# KiCad board mxm_immobilizer.kicad_pcb (continued)
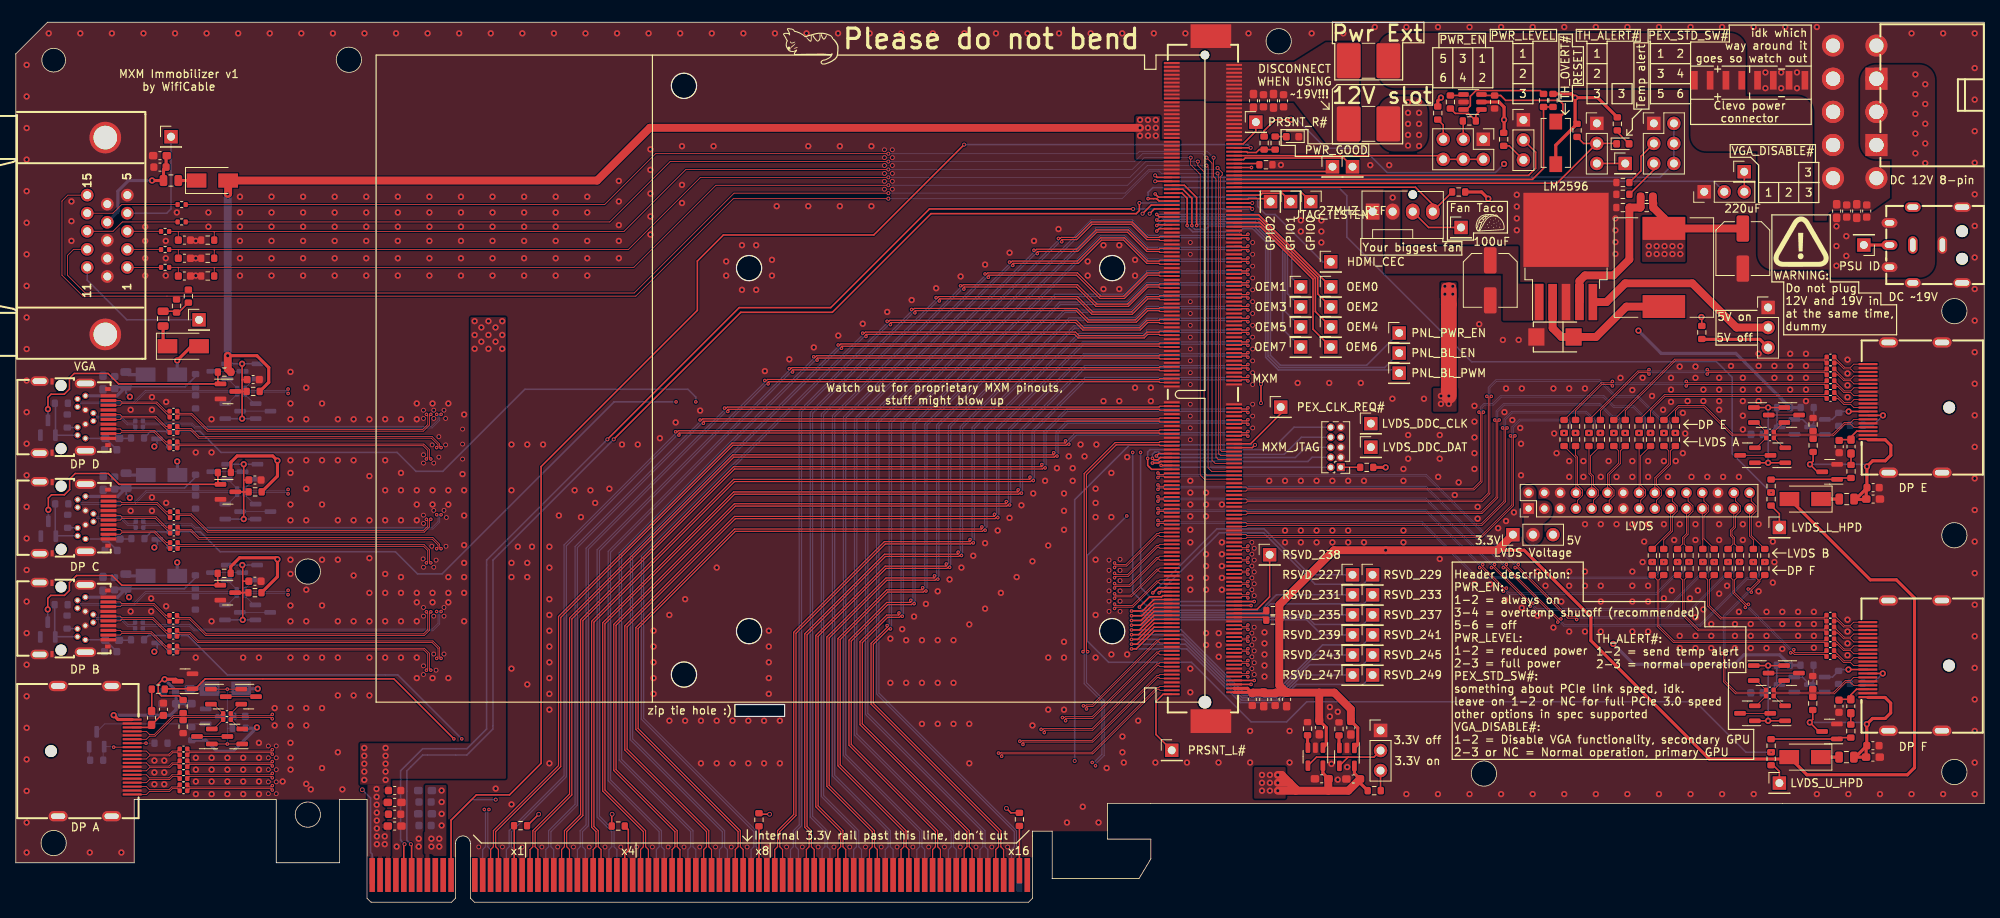
[diagram p0: board, top side]
## Routing (per net, layer and track width the routed paths; a pad name or vN(x,y) marks a point on that pad's centre or on a via; arc(x,y) is an arc through that point) (continued)
DP_A_L0-: length 139.8
  Top w0.1: MXM1.253 144.95,33.35 144.8,33.2 144.56,33.2 136.36,25 135.62,25 135.5,24.89 v3(135.26,24.89) ; C42.1 22,14.6 32.33,14.6 v3(32.5,14.77)
  In2.Cu w0.1: v3(135.26,24.89) 135.26,24.64 123.92,13.3 65.44,13.3 57.14,21.6 41.86,21.6 34.85,14.6 32.67,14.6 v3(32.5,14.77)
DP_A_L1+: length 138.5
  Top w0.1: v3(133,23) 133,23.25 133.04,23.29 136.44,23.29 144.64,31.49 144.8,31.49 144.95,31.35 MXM1.261 ; v3(32.5,15.76) 32.33,15.94 22,15.94 C41.1
  In2.Cu w0.1: v3(133,23) 132.75,23 123.74,13.99 65.56,13.99 57.26,22.29 41.74,22.29 35.39,15.94 32.67,15.94 v3(32.5,15.76)
DP_A_L1-: length 138.5
  Top w0.1: v3(132.6,23.4) 132.85,23.4 132.96,23.5 136.36,23.5 144.56,31.7 144.8,31.7 144.95,31.85 MXM1.259 ; v3(32.5,16.32) 32.33,16.15 22,16.15 C40.1
  In2.Cu w0.1: v3(32.5,16.32) 32.67,16.15 35.3,16.15 41.66,22.5 57.34,22.5 65.64,14.2 123.66,14.2 132.6,23.15 v3(132.6,23.4)
DP_A_L2+: length 137.3
  Top w0.1: v3(32.5,17.26) 32.33,17.44 22,17.44 C39.1 ; v3(130.3,21.5) 130.3,21.75 130.34,21.79 136.44,21.79 144.64,29.99 144.8,29.99 144.95,29.85 MXM1.267
  In2.Cu w0.1: v3(130.3,21.5) 130.05,21.5 123.44,14.89 65.76,14.89 57.46,23.19 41.54,23.19 35.79,17.44 32.67,17.44 v3(32.5,17.26)
DP_A_L2-: length 137.3
  Top w0.1: v3(129.9,21.9) 130.15,21.9 130.26,22 136.36,22 144.56,30.2 144.8,30.2 144.95,30.35 MXM1.265 ; v3(32.5,17.82) 32.33,17.65 22,17.65 C38.1
  In2.Cu w0.1: v3(129.9,21.9) 129.9,21.65 123.36,15.1 65.84,15.1 57.54,23.4 41.46,23.4 35.7,17.65 32.67,17.65 v3(32.5,17.82)
DP_A_L3+: length 136
  Top w0.1: v3(127.6,20) 127.6,20.25 127.64,20.29 136.44,20.29 144.64,28.49 144.8,28.49 144.95,28.35 MXM1.273 ; v3(32.5,18.76) 32.33,18.94 22,18.94 C37.1
  In2.Cu w0.1: v3(127.6,20) 127.35,20 123.14,15.79 65.96,15.79 57.66,24.09 41.34,24.09 36.19,18.94 32.67,18.94 v3(32.5,18.76)
DP_A_L3-: length 136
  Top w0.1: C36.1 22,19.15 32.33,19.15 v3(32.5,19.32) ; MXM1.271 144.95,28.85 144.8,28.7 144.56,28.7 136.36,20.5 127.56,20.5 127.45,20.4 v3(127.2,20.4)
  In2.Cu w0.1: v3(32.5,19.32) 32.67,19.15 36.1,19.15 41.26,24.3 57.74,24.3 66.04,16 123.06,16 127.2,20.15 v3(127.2,20.4)
DP_B_AUX+: length 144.3
  Top w0.1: v3(156.1,28.57) 155.93,28.74 155.37,28.74 155.23,28.6 MXM1.272
  In2.Cu w0.1: v3(156.1,28.57) 155.93,28.74 144.89,28.74 142.44,26.29 130.74,26.29 122.64,18.19 66.36,18.19 58.06,26.49 47.56,26.49 34.91,39.14 34.67,39.14 v3(34.5,38.97)
  Bottom w0.1: Q22.2 30.17,37.67 C55.1 29.24,39.14 34.33,39.14 v3(34.5,38.97)
DP_B_AUX-: length 144.9
  Top w0.1: MXM1.270 155.23,29.1 155.37,28.95 155.93,28.95 v3(156.1,29.13)
  In2.Cu w0.1: v3(156.1,29.13) 155.93,28.95 144.81,28.95 142.36,26.5 130.66,26.5 122.56,18.4 66.44,18.4 58.14,26.7 47.64,26.7 34.99,39.35 34.67,39.35 v3(34.5,39.53)
  Bottom w0.1: v3(34.5,39.53) 34.33,39.35 29.24,39.35 C54.1 30.17,40.82 Q21.2
  Bottom w0.2: 30.57,40.87 30.17,40.87
DP_B_HPD: length 158.8
  Top w0.2: v3(156.9,28.1) MXM1.274
  In2.Cu w0.2: v3(56.5,20.7) 64.8,12.4 123.95,12.4 134.68,23.13 135.58,23.13 137.93,25.48 142.88,25.48 145.5,28.1 v3(156.9,28.1)
  Bottom w0.2: R6.1 16.8,33.8 D9.1 21.8,33.8 26.8,28.8 48.4,28.8 v3(56.5,20.7)
DP_B_L0+: length 156.7
  Top w0.1: MXM1.248 155.23,34.6 155.37,34.74 155.93,34.74 v3(156.1,34.57)
  In2.Cu w0.1: v3(156.1,34.57) 155.93,34.74 145.29,34.74 140.44,29.89 129.94,29.89 121.84,21.79 67.16,21.79 53.49,35.46 53.49,36.66 v3(53.32,36.84)
  Bottom w0.1: C29.1 16.35,35.18 22.07,35.18 22.64,34.6 52.76,34.6 53.49,35.34 53.49,36.66 v3(53.32,36.84)
DP_B_L0-: length 156.7
  Top w0.1: MXM1.246 155.23,35.1 155.37,34.95 155.93,34.95 v3(156.1,35.13)
  In2.Cu w0.1: v3(156.1,35.13) 155.93,34.95 145.21,34.95 140.36,30.1 129.86,30.1 121.76,22 67.24,22 53.7,35.54 53.7,36.66 v3(53.88,36.84)
  Bottom w0.1: C31.1 16.35,34.97 21.98,34.97 22.56,34.39 52.84,34.39 53.7,35.26 53.7,36.66 v3(53.88,36.84)
DP_B_L1+: length 153.6
  Top w0.1: v3(156.1,33.07) 155.93,33.24 155.37,33.24 155.23,33.1 MXM1.254 ; v3(52.02,36.8) 52.19,36.62 52.19,34.54 51.66,34 24.14,34 22.07,36.08 20.7,36.08 C27.1
  In2.Cu w0.1: v3(156.1,33.07) 155.93,33.24 144.89,33.24 140.64,28.99 130.14,28.99 122.04,20.89 66.96,20.89 52.19,35.66 52.19,36.62 v3(52.02,36.8)
DP_B_L1-: length 153.6
  Top w0.1: v3(156.1,33.63) 155.93,33.45 155.37,33.45 155.23,33.6 MXM1.252 ; C28.1 20.7,35.87 21.98,35.87 24.06,33.79 51.74,33.79 52.41,34.46 52.41,36.62 v3(52.58,36.8)
  In2.Cu w0.1: v3(156.1,33.63) 155.93,33.45 144.81,33.45 140.56,29.2 130.06,29.2 121.96,21.1 67.04,21.1 52.41,35.74 52.41,36.62 v3(52.58,36.8)
DP_B_L2+: length 151.2
  Top w0.1: MXM1.260 155.23,31.6 155.37,31.74 155.93,31.74 v3(156.1,31.57) ; v3(53.88,30.9) 53.7,31.07 53.7,32.24 52.84,33.1 23.14,33.1 22.07,34.18 20.7,34.18 C30.1
  In2.Cu w0.1: v3(156.1,31.57) 155.93,31.74 144.89,31.74 141.24,28.09 130.34,28.09 122.24,19.99 66.76,19.99 54.46,32.29 53.94,32.29 53.7,32.06 53.7,31.07 v3(53.88,30.9)
DP_B_L2-: length 151.2
  Top w0.1: C32.1 20.7,33.97 21.98,33.97 23.06,32.89 52.76,32.89 53.49,32.16 53.49,31.07 v3(53.32,30.9) ; MXM1.258 155.23,32.1 155.37,31.95 155.93,31.95 v3(156.1,32.13)
  In2.Cu w0.1: v3(156.1,32.13) 155.93,31.95 144.81,31.95 141.16,28.3 130.26,28.3 122.16,20.2 66.84,20.2 54.54,32.5 53.86,32.5 53.49,32.14 53.49,31.07 v3(53.32,30.9)
DP_B_L3+: length 150
  Top w0.1: v3(52.58,29.4) 52.41,29.57 52.41,31.54 51.77,32.18 20.7,32.18 C33.1 ; MXM1.266 155.23,30.1 155.37,30.24 155.93,30.24 v3(156.1,30.07)
  In2.Cu w0.1: v3(52.58,29.4) 52.41,29.57 52.41,29.86 52.64,30.09 55.56,30.09 66.56,19.09 122.44,19.09 130.54,27.19 141.84,27.19 144.89,30.24 155.93,30.24 v3(156.1,30.07)
DP_B_L3-: length 150
  Top w0.1: C34.1 20.7,31.97 51.68,31.97 52.19,31.46 52.19,29.57 v3(52.02,29.4) ; v3(156.1,30.63) 155.93,30.45 155.37,30.45 155.23,30.6 MXM1.264
  In2.Cu w0.1: v3(156.1,30.63) 155.93,30.45 144.81,30.45 141.76,27.4 130.46,27.4 122.36,19.3 66.64,19.3 55.64,30.3 52.56,30.3 52.19,29.94 52.19,29.57 v3(52.02,29.4)
DP_C_AUX+: length 143.8
  Top w0.1: MXM1.225 144.95,40.35 144.8,40.49 144.64,40.49 141.54,37.39 139.38,37.39 v3(139.2,37.22)
  In2.Cu w0.1: v3(139.2,37.22) 139.03,37.39 135.74,37.39 121.64,23.29 100.96,23.29 96.69,27.56 96.69,36.16 92.76,40.09 46.86,40.09 35.03,51.92 34.67,51.92 v3(34.5,51.74)
  Bottom w0.1: Q20.2 30.21,50.45 C53.1 29.28,51.92 34.33,51.92 v3(34.5,51.74)
DP_C_AUX-: length 144
  Top w0.1: v3(139.2,37.78) 139.38,37.6 141.46,37.6 144.56,40.7 144.8,40.7 144.95,40.85 MXM1.223
  In2.Cu w0.1: v3(139.2,37.78) 139.03,37.6 135.66,37.6 121.56,23.5 101.04,23.5 96.91,27.64 96.91,36.24 92.84,40.3 46.94,40.3 35.12,52.13 34.67,52.13 v3(34.5,52.3)
  Bottom w0.1: Q19.2 30.21,53.6 C52.1 29.28,52.13 34.33,52.13 v3(34.5,52.3)
DP_C_HPD: length 175.8
  Top w0.2: v3(156.9,38.1) MXM1.234
  In2.Cu w0.2: v3(142.5,57) 135.5,64 84.25,64 v3(83.65,63.4)
  Bottom w0.2: 19.86,46.92 17.15,46.92 R5.1 ; D8.1 23.38,46.92 25.9,44.4 48.1,44.4 50.9,41.6 54,41.6 75.8,63.4 v3(83.65,63.4) ; v3(156.9,38.1) 144.3,38.1 142.5,39.9 v3(142.5,57)
DP_C_L0+: length 154.7
  Top w0.1: MXM1.201 144.95,46.35 144.8,46.49 144.64,46.49 140.74,42.59 139.38,42.59 v3(139.2,42.42)
  In2.Cu w0.1: v3(53.32,49.1) 53.49,48.92 53.49,48.66 54.36,47.79 89.46,47.79 100.3,36.96 100.3,28.36 101.76,26.89 120.84,26.89 136.54,42.59 139.03,42.59 v3(139.2,42.42)
  Bottom w0.1: v3(53.32,49.1) 53.49,48.92 53.49,48.24 52.76,47.5 22.74,47.5 22.29,47.95 16.43,47.95 C20.1
DP_C_L0-: length 154.7
  Top w0.1: MXM1.199 144.95,46.85 144.8,46.7 144.56,46.7 140.66,42.8 139.38,42.8 v3(139.2,42.98)
  In2.Cu w0.1: v3(53.88,49.1) 53.7,48.92 53.7,48.74 54.44,48 89.54,48 100.5,37.04 100.5,28.44 101.84,27.1 120.76,27.1 136.46,42.8 139.03,42.8 v3(139.2,42.98)
  Bottom w0.1: C22.1 16.43,47.74 22.21,47.74 22.66,47.29 52.84,47.29 53.7,48.16 53.7,48.92 v3(53.88,49.1)
DP_C_L1+: length 151.3
  Top w0.1: v3(52.02,48.52) 52.2,48.34 52.2,47.64 51.66,47.1 24.34,47.1 22.24,49.2 20.78,49.2 C18.1 ; MXM1.207 144.95,44.85 144.8,44.99 144.64,44.99 140.94,41.29 139.38,41.29 v3(139.2,41.12)
  In2.Cu w0.1: v3(139.2,41.12) 139.03,41.29 136.34,41.29 121.04,25.99 101.56,25.99 99.39,28.16 99.39,36.76 89.26,46.89 52.66,46.89 52.2,47.36 52.2,48.34 v3(52.02,48.52)
DP_C_L1-: length 151.3
  Top w0.1: v3(52.58,48.52) 52.41,48.34 52.41,47.56 51.74,46.89 24.26,46.89 22.16,48.99 20.78,48.99 C19.1 ; MXM1.205 144.95,45.35 144.8,45.2 144.56,45.2 140.86,41.5 139.38,41.5 v3(139.2,41.68)
  In2.Cu w0.1: v3(139.2,41.68) 139.03,41.5 136.26,41.5 120.96,26.2 101.64,26.2 99.61,28.24 99.61,36.84 89.34,47.1 52.74,47.1 52.41,47.44 52.41,48.34 v3(52.58,48.52)
DP_C_L2+: length 149.8
  Top w0.1: MXM1.213 144.95,43.35 144.8,43.49 144.64,43.49 141.14,39.99 139.38,39.99 v3(139.2,39.82) ; C21.1 20.78,47.25 22.19,47.25 23.24,46.2 52.84,46.2 53.7,45.34 53.7,44.97 v3(53.88,44.8)
  In2.Cu w0.1: v3(139.2,39.82) 139.03,39.99 136.14,39.99 121.24,25.09 101.36,25.09 98.49,27.96 98.49,36.56 89.06,45.99 54.44,45.99 53.7,45.26 53.7,44.97 v3(53.88,44.8)
DP_C_L2-: length 149.8
  Top w0.1: v3(139.2,40.38) 139.38,40.2 141.06,40.2 144.56,43.7 144.8,43.7 144.95,43.85 MXM1.211 ; C23.1 20.78,47.04 22.11,47.04 23.16,45.99 52.76,45.99 53.49,45.26 53.49,44.97 v3(53.32,44.8)
  In2.Cu w0.1: v3(53.32,44.8) 53.49,44.97 53.49,45.34 54.36,46.2 89.14,46.2 98.7,36.64 98.7,28.04 101.44,25.3 121.16,25.3 136.06,40.2 139.03,40.2 v3(139.2,40.38)
DP_C_L3+: length 149.6
  Top w0.1: v3(139.2,38.52) 139.38,38.69 141.34,38.69 144.64,41.99 144.8,41.99 144.95,41.85 MXM1.219 ; C24.1 20.78,45.3 51.74,45.3 52.41,44.64 52.41,43.17 v3(52.58,43)
  In2.Cu w0.1: v3(52.58,43) 52.41,43.17 52.41,43.56 52.74,43.89 90.06,43.89 97.59,36.36 97.59,27.76 101.16,24.19 121.44,24.19 135.94,38.69 139.03,38.69 v3(139.2,38.52)
DP_C_L3-: length 149.6
  Top w0.1: MXM1.217 144.95,42.35 144.8,42.2 144.56,42.2 141.26,38.9 139.38,38.9 v3(139.2,39.08) ; C25.1 20.78,45.09 51.66,45.09 52.19,44.56 52.19,43.17 v3(52.02,43)
  In2.Cu w0.1: v3(139.2,39.08) 139.03,38.9 135.86,38.9 121.36,24.4 101.24,24.4 97.8,27.84 97.8,36.44 90.14,44.1 52.66,44.1 52.19,43.64 52.19,43.17 v3(52.02,43)
DP_D_AUX+: length 158.1
  Top w0.1: v3(156.1,38.57) 155.93,38.74 155.37,38.74 155.23,38.6 MXM1.232
  In2.Cu w0.1: v3(156.1,38.57) 155.93,38.74 146.01,38.74 140.66,44.09 136.34,44.09 120.64,28.39 105.06,28.39 101.8,31.66 101.8,37.16 85.76,53.19 46.86,53.19 35.41,64.64 34.67,64.64 v3(34.5,64.47)
  Bottom w0.1: v3(34.5,64.47) 34.33,64.64 29.28,64.64 C51.1 30.21,63.17 Q18.2
DP_D_AUX-: length 158.4
  Top w0.1: v3(156.1,39.13) 155.93,38.95 155.37,38.95 155.23,39.1 MXM1.230
  In2.Cu w0.1: v3(156.1,39.13) 155.93,38.95 146.09,38.95 140.74,44.3 136.26,44.3 120.56,28.6 105.14,28.6 102.01,31.74 102.01,37.24 85.84,53.4 46.94,53.4 35.49,64.85 34.67,64.85 v3(34.5,65.03)
  Bottom w0.1: Q17.2 30.21,66.32 C50.1 29.28,64.85 34.33,64.85 v3(34.5,65.03)
DP_D_HPD: length 171.3
  Top w0.2: v3(156.5,37.6) MXM1.236
  In2.Cu w0.2: v3(141.5,57) 141.5,57.1 135.2,63.4 v3(86.15,63.4)
  Bottom w0.2: R4.1 17.1,59.67 D7.1 23.32,59.67 26,57 48.3,57 50.7,54.6 54.1,54.6 64.5,65 85.15,65 86.15,64 v3(86.15,63.4) ; v3(141.5,57) 141.5,39.3 143.2,37.6 v3(156.5,37.6)
DP_D_L0+: length 167
  Top w0.1: MXM1.208 155.23,44.6 155.37,44.74 155.93,44.74 v3(156.1,44.57)
  In2.Cu w0.1: v3(53.32,61.82) 53.5,61.64 53.5,61.26 54.16,60.59 56.76,60.59 60.56,56.79 86.56,56.79 105.39,37.96 105.39,32.46 105.86,31.99 119.84,31.99 135.54,47.69 141.46,47.69 144.41,44.74 155.93,44.74 v3(156.1,44.57)
  Bottom w0.1: v3(53.32,61.82) 53.5,61.64 53.5,61.14 52.66,60.3 22.74,60.3 22.34,60.7 16.38,60.7 C11.1
DP_D_L0-: length 167
  Top w0.1: v3(156.1,45.13) 155.93,44.95 155.37,44.95 155.23,45.1 MXM1.206
  In2.Cu w0.1: v3(53.88,61.82) 53.71,61.64 53.71,61.34 54.24,60.8 56.84,60.8 60.64,57 86.64,57 105.61,38.04 105.61,32.54 105.94,32.2 119.76,32.2 135.46,47.9 141.54,47.9 144.49,44.95 155.93,44.95 v3(156.1,45.13)
  Bottom w0.1: v3(53.88,61.82) 53.71,61.64 53.71,61.06 52.74,60.09 22.66,60.09 22.26,60.49 16.38,60.49 C13.1
DP_D_L1+: length 165
  Top w0.1: v3(52.02,61.82) 52.2,61.64 52.2,60.54 51.56,59.9 24.34,59.9 22.29,61.95 20.72,61.95 C9.1 ; MXM1.214 155.23,43.1 155.37,43.24 155.93,43.24 v3(156.1,43.07)
  In2.Cu w0.1: v3(52.02,61.82) 52.2,61.64 52.2,60.46 52.96,59.69 55.76,59.69 59.56,55.89 86.36,55.89 104.49,37.76 104.49,32.26 105.66,31.09 120.04,31.09 135.74,46.79 141.26,46.79 144.81,43.24 155.93,43.24 v3(156.1,43.07)
DP_D_L1-: length 165
  Top w0.1: v3(156.1,43.63) 155.93,43.45 155.37,43.45 155.23,43.6 MXM1.212 ; v3(52.58,61.82) 52.41,61.64 52.41,60.46 51.64,59.69 24.26,59.69 22.21,61.74 20.72,61.74 C10.1
  In2.Cu w0.1: v3(156.1,43.63) 155.93,43.45 144.89,43.45 141.34,47 135.66,47 119.96,31.3 105.74,31.3 104.7,32.34 104.7,37.84 86.44,56.1 59.64,56.1 55.84,59.9 53.04,59.9 52.41,60.54 52.41,61.64 v3(52.58,61.82)
DP_D_L2+: length 163.1
  Top w0.1: C12.1 20.72,60 22.24,60 23.24,59 52.74,59 53.7,58.04 53.7,57.78 v3(53.88,57.61) ; MXM1.220 155.23,41.6 155.37,41.74 155.93,41.74 v3(156.1,41.57)
  In2.Cu w0.1: v3(53.88,57.61) 53.7,57.78 53.7,58.06 54.44,58.79 54.76,58.79 58.56,54.99 86.16,54.99 103.59,37.56 103.59,32.06 105.46,30.19 120.24,30.19 135.94,45.89 141.06,45.89 145.21,41.74 155.93,41.74 v3(156.1,41.57)
DP_D_L2-: length 163.1
  Top w0.1: C14.1 20.72,59.79 22.16,59.79 23.16,58.79 52.66,58.79 53.49,57.96 53.49,57.78 v3(53.32,57.61) ; v3(156.1,42.13) 155.93,41.95 155.37,41.95 155.23,42.1 MXM1.218
  In2.Cu w0.1: v3(156.1,42.13) 155.93,41.95 145.29,41.95 141.14,46.1 135.86,46.1 120.16,30.4 105.54,30.4 103.8,32.14 103.8,37.64 86.24,55.2 58.64,55.2 54.84,59 54.36,59 53.49,58.14 53.49,57.78 v3(53.32,57.61)
DP_D_L3+: length 163
  Top w0.1: v3(52.58,56.16) 52.41,56.34 52.41,57.34 51.69,58.05 20.72,58.05 C15.1 ; MXM1.226 155.23,40.1 155.37,40.24 155.93,40.24 v3(156.1,40.07)
  In2.Cu w0.1: v3(52.58,56.16) 52.41,56.34 52.41,56.56 52.74,56.89 54.76,56.89 57.56,54.09 85.96,54.09 102.7,37.36 102.7,31.86 105.26,29.29 120.44,29.29 136.14,44.99 140.86,44.99 145.61,40.24 155.93,40.24 v3(156.1,40.07)
DP_D_L3-: length 163
  Top w0.1: v3(156.1,40.63) 155.93,40.45 155.37,40.45 155.23,40.6 MXM1.224 ; v3(52.02,56.16) 52.19,56.34 52.19,57.26 51.61,57.84 20.72,57.84 C16.1
  In2.Cu w0.1: v3(156.1,40.63) 155.93,40.45 145.69,40.45 140.94,45.2 136.06,45.2 120.36,29.5 105.34,29.5 102.9,31.94 102.9,37.44 86.04,54.3 57.64,54.3 54.84,57.1 52.66,57.1 52.19,56.64 52.19,56.34 v3(52.02,56.16)
DP_E_AUX+: length 17.4
  Top w0.1: 220.2,60.78 220.56,60.78 C88.1 221.49,59.31 217.55,59.31 213.92,62.94 210.64,62.94 R56.2
DP_E_AUX-: length 16.4
  Top w0.1: Q26.2 220.51,57.58 C89.1 221.49,59.1 217.46,59.1 213.84,62.73 210.72,62.73 210.25,62.26 R55.2
DP_E_HPD: length 10.2
  Top w0.2: R49.2 222.4,53.58 D13.1 230.92,53.76 R116.1
DP_E_L0+: length 30.3
  Top w0.1: C96.1 229.15,68.81 210.16,68.81 R60.2
DP_E_L0-: length 29.4
  Top w0.1: C97.1 229.15,68.6 210.25,68.6 203.9,62.26 R59.2
DP_E_L1+: length 33.1
  Top w0.1: v3(206.92,67.49) 206.74,67.31 205.51,67.31 R64.2 ; v3(214.29,67.49) 214.47,67.31 229.15,67.31 C98.1
  Bottom w0.1: v3(214.29,67.49) 214.12,67.31 207.09,67.31 v3(206.92,67.49)
DP_E_L1-: length 32.2
  Top w0.1: v3(214.29,66.93) 214.47,67.1 229.15,67.1 C99.1 ; R63.2 200.75,62.26 205.6,67.1 206.74,67.1 v3(206.92,66.93)
  Bottom w0.1: v3(206.92,66.93) 207.09,67.1 214.12,67.1 v3(214.29,66.93)
DP_E_L2+: length 35.6
  Top w0.1: C100.1 229.15,65.81 211.81,65.81 v3(211.63,65.99) ; v3(202.28,65.99) 202.1,65.81 200.86,65.81 R68.2
  Bottom w0.1: v3(202.28,65.99) 202.45,65.81 211.46,65.81 v3(211.63,65.99)
DP_E_L2-: length 34.8
  Top w0.1: R67.2 197.6,62.26 200.95,65.6 202.1,65.6 v3(202.28,65.43) ; C101.1 229.15,65.6 211.81,65.6 v3(211.63,65.43)
  Bottom w0.1: v3(202.28,65.43) 202.45,65.6 211.46,65.6 v3(211.63,65.43)
DP_E_L3+: length 25.2
  Top w0.1: C102.1 229.15,64.31 208.86,64.31 R52.2
DP_E_L3-: length 24.3
  Top w0.1: R51.2 207.1,62.26 208.95,64.1 229.15,64.1 C103.1
DP_F_AUX+: length 23.8
  Top w0.1: Q27.2 220.54,28.09 C90.1 221.47,26.62 217.95,26.62 216.54,28.03 216.54,31.37 v3(216.71,31.55) ; R85.2 220.96,40.84 220.96,40.62 219.88,39.53 v3(219.88,39.29)
  Bottom w0.1: v3(216.71,31.55) 216.54,31.72 216.54,36.19 219.63,39.29 v3(219.88,39.29)
DP_F_AUX-: length 24
  Top w0.1: Q28.2 220.49,24.89 C91.1 221.47,26.41 217.86,26.41 216.33,27.94 216.33,31.37 v3(216.15,31.55) ; v3(219.48,39.68) 219.73,39.68 220.75,40.7 220.75,40.84 R84.2
  Bottom w0.1: v3(219.48,39.68) 219.48,39.44 216.33,36.28 216.33,31.72 v3(216.15,31.55)
DP_F_HPD: length 10.2
  Top w0.2: R117.1 230.89,20.86 D14.1 222.41,20.69 R78.2
DP_F_L0+: length 19.7
  Top w0.1: C104.1 229.13,36.11 216.06,36.11 214.56,37.6 214.56,40.84 R89.2
DP_F_L0-: length 20
  Top w0.1: C105.1 229.13,35.9 215.97,35.9 214.35,37.52 214.35,40.84 R88.2
DP_F_L1+: length 24.2
  Top w0.1: C106.1 229.13,34.61 213.21,34.61 211.36,36.45 211.36,40.84 R93.2
DP_F_L1-: length 24.5
  Top w0.1: C107.1 229.13,34.4 213.12,34.4 211.15,36.37 211.15,40.84 R92.2
DP_F_L2+: length 28.8
  Top w0.1: C108.1 229.14,33.11 210.1,33.11 208.16,35.05 208.16,40.84 R97.2
DP_F_L2-: length 29.2
  Top w0.1: R96.2 207.95,40.84 207.95,34.97 210.02,32.9 229.14,32.9 C109.1
DP_F_L3+: length 17.7
  Top w0.1: v3(219.51,37.75) 219.26,37.75 217.76,39.25 217.76,40.84 R81.2 ; C110.1 229.13,31.62 225.4,31.62 225.26,31.76 v3(225.26,32)
  Bottom w0.1: v3(219.51,37.75) 219.51,37.5 225.01,32 v3(225.26,32)
DP_F_L3-: length 18
  Top w0.1: R80.2 217.55,40.84 217.55,39.17 219.11,37.6 v3(219.11,37.35) ; v3(224.86,31.61) 225.11,31.61 225.31,31.41 229.13,31.41 C111.1
  Bottom w0.1: v3(219.11,37.35) 219.36,37.35 224.86,31.85 v3(224.86,31.61)
FAN_PWM: length 30.5
  Top w0.2: R42.2 179.52,87.54 M1.4 179.52,88.4 177.32,90.6 MXM1.24
JTAG_TCLK: length 25.4
  Top w0.2: MXM1.163 145,55.85 144.8,55.65 v3(144,55.65)
  Bottom w0.2: v3(144,55.65) 144.2,55.85 163.7,55.85 164.23,56.38 J8.4
JTAG_TDI: length 26.9
  Top w0.2: MXM1.161 145,56.35 144.7,56.05 144.2,56.05 v3(144,56.25)
  Bottom w0.2: v3(144,56.25) 144,56.75 144.3,57.05 144.8,57.05 145.1,56.75 160.7,56.75 162.87,58.92 J8.8
JTAG_TDO: length 24.8
  Top w0.2: v3(144.5,56.55) 144.8,56.85 MXM1.159
  Bottom w0.2: v3(144.5,56.55) 144.7,56.35 162.1,56.35 163.4,57.65 J8.6
JTAG_TMS: length 22.9
  Top w0.2: MXM1.165 v3(145.1,55.35)
  Bottom w0.2: J8.2 145.34,55.11 v3(145.1,55.35)
JTAG_TRST#: length 29.4
  Top w0.2: MXM1.167 143.9,54.85 143.4,55.35 v3(143.4,56.25)
  Bottom w0.2: J8.10 161.94,60.19 159.1,57.35 143.7,57.35 143.4,57.05 v3(143.4,56.25)
LVDS_DDC_CLK: length 49.5
  Top w0.2: v4(143.65,87.25) 144.25,87.85 MXM1.35
  In2.Cu w0.2: TP40.1 171.67,61.73 168.55,64.85 154.45,64.85 152.05,67.25 152.05,76.65 143.65,85.05 v4(143.65,87.25)
LVDS_DDC_DAT: length 54
  Top w0.2: MXM1.33 143.85,88.35 v4(142.75,87.25)
  In2.Cu w0.2: v4(142.75,87.25) 142.75,84.05 150.95,75.85 150.95,67.05 153.85,64.15 167.95,64.15 169.65,62.45 169.65,59.68 TP41.1
LVDS_L_HPD: length 3.2
  Top w0.2: R50.2 223.43,49.21 TP43.1
LVDS_L_HPD/DP_E_HPD: length 107.8
  Top w0.2: v3(143.45,89.15) 144.53,89.15 144.63,89.05 144.65,89.05 144.85,88.85 MXM1.31
  Bottom w0.2: v3(143.45,89.15) 143.45,89.95 144.05,90.55 167.61,90.55 168.63,89.53 168.63,84.28 184.43,68.48 215.48,68.48 217.45,66.51 217.45,56.84 v3(222.38,51.91)
LVDS_LCLK+: length 5.9
  Top w0.1: J11.16 R54.2
LVDS_LCLK-: length 9
  Top w0.1: J11.15 205.86,50.09 205.86,50.93 206.48,51.54 206.48,52.23 205.86,52.84 205.86,56.57 R53.2
LVDS_LCLK/DP_E_L3+: length 65.7
  Top w0.1: v3(185.93,62.1) 185.76,61.92 185.76,53.26 184.74,52.24 156,52.24 155.85,52.1 MXM1.178
  Bottom w0.1: v3(185.93,62.1) 185.76,62.27 185.76,62.66 186.09,62.99 187.19,62.99 188.19,63.99 201.11,63.99 202.41,62.69 204.91,62.69 206.28,61.33 206.28,60.07 v4(205.65,59.45)
LVDS_LCLK/DP_E_L3-: length 66.1
  Top w0.1: v3(185.37,62.1) 185.55,61.92 185.55,53.34 184.66,52.45 156,52.45 155.85,52.6 MXM1.176
  Bottom w0.1: v4(207.1,59.45) 206.48,60.07 206.48,61.42 204.99,62.9 202.49,62.9 201.19,64.2 188.11,64.2 187.11,63.2 186.01,63.2 185.55,62.74 185.55,62.27 v3(185.37,62.1)
LVDS_LTX0+: length 6.5
  Top w0.1: J11.8 197.65,56.31 R70.2
LVDS_LTX0-: length 8.6
  Top w0.1: J11.7 197.86,50.09 197.86,50.93 198.48,51.54 198.48,52.23 197.86,52.84 197.86,56.4 197.6,56.66 R69.2
LVDS_LTX0/DP_E_L2+: length 56.2
  Top w0.1: v3(189.93,59.1) 189.76,58.92 189.76,50.26 185.74,46.24 156,46.24 155.85,46.1 MXM1.202
  Bottom w0.1: v4(196.15,59.45) 196.78,60.07 196.78,60.73 196.51,60.99 190.59,60.99 189.76,60.16 189.76,59.27 v3(189.93,59.1)
LVDS_LTX0/DP_E_L2-: length 56.5
  Top w0.1: v3(189.37,59.1) 189.55,58.92 189.55,50.34 185.66,46.45 156,46.45 155.85,46.6 MXM1.200
  Bottom w0.1: v3(189.37,59.1) 189.55,59.27 189.55,60.24 190.51,61.2 196.59,61.2 196.98,60.82 196.98,60.07 v4(197.6,59.45)
LVDS_LTX1+: length 6.1
  Top w0.1: J11.10 199.65,53.92 199.3,54.27 R66.2
LVDS_LTX1-: length 9.2
  Top w0.1: R65.2 199.51,56.57 199.51,54.36 199.86,54.01 199.86,52.84 200.48,52.23 200.48,51.54 199.86,50.93 199.86,50.09 J11.9
LVDS_LTX1/DP_E_L1+: length 60
  Top w0.1: v3(188.93,60.1) 188.76,59.92 188.76,50.76 185.74,47.74 156,47.74 155.85,47.6 MXM1.196
  Bottom w0.1: v3(188.93,60.1) 188.76,60.27 188.76,61.16 189.59,61.99 198.91,61.99 199.93,60.98 199.93,60.07 v4(199.3,59.45)
LVDS_LTX1/DP_E_L1-: length 60.3
  Top w0.1: MXM1.194 155.85,48.1 156,47.95 185.66,47.95 188.55,50.84 188.55,59.92 v3(188.37,60.1)
  Bottom w0.1: v4(200.75,59.45) 200.12,60.07 200.12,61.07 198.99,62.2 189.51,62.2 188.55,61.24 188.55,60.27 v3(188.37,60.1)
LVDS_LTX2+: length 6.8
  Top w0.1: J11.12 201.65,54.24 203.07,55.66 203.07,57.19 R62.2
LVDS_LTX2-: length 9.4
  Top w0.1: J11.11 201.86,50.09 201.86,50.93 202.48,51.54 202.48,52.23 201.86,52.84 201.86,54.15 203.28,55.57 203.28,57.19 R61.2
LVDS_LTX2/DP_E_L0+: length 63.7
  Top w0.1: MXM1.190 155.85,49.1 156,49.24 185.74,49.24 187.76,51.26 187.76,60.92 v3(187.93,61.1)
  Bottom w0.1: v3(187.93,61.1) 187.76,61.27 187.76,62.16 188.59,62.99 200.61,62.99 202.16,61.45 202.76,61.45 203.08,61.13 203.08,60.07 v4(202.45,59.45)
LVDS_LTX2/DP_E_L0-: length 64.1
  Top w0.1: v3(187.37,61.1) 187.55,60.92 187.55,51.34 185.66,49.45 156,49.45 155.85,49.6 MXM1.188
  Bottom w0.1: v3(187.37,61.1) 187.55,61.27 187.55,62.24 188.51,63.2 200.69,63.2 202.24,61.65 202.84,61.65 203.28,61.22 203.28,60.07 v4(203.9,59.45)
LVDS_LTX3+: length 6.9
  Top w0.1: J11.18 207.65,53.79 209.42,55.56 209.42,57.19 R58.2
LVDS_LTX3-: length 9.5
  Top w0.1: J11.17 207.86,50.09 207.86,50.93 208.48,51.54 208.48,52.23 207.86,52.84 207.86,53.7 209.63,55.47 209.63,57.19 R57.2
LVDS_LTX3/DP_E_AUX+: length 73.1
  Top w0.1: MXM1.184 155.85,50.6 156,50.74 185.74,50.74 186.76,51.76 186.76,63.92 v3(186.93,64.1)
  Bottom w0.1: v4(208.8,59.45) 209.43,60.07 209.43,60.68 209.06,61.05 208.36,61.05 205.41,63.99 202.61,63.99 200.61,65.99 187.59,65.99 186.76,65.16 186.76,64.27 v3(186.93,64.1)
LVDS_LTX3/DP_E_AUX-: length 73.5
  Top w0.1: MXM1.182 155.85,51.1 156,50.95 185.66,50.95 186.55,51.84 186.55,63.92 v3(186.37,64.1)
  Bottom w0.1: v4(210.25,59.45) 209.62,60.07 209.62,60.77 209.14,61.25 208.44,61.25 205.5,64.2 205.5,64.2 202.69,64.2 200.69,66.2 187.51,66.2 186.55,65.24 186.55,64.27 v3(186.37,64.1)
LVDS_U_HPD: length 3
  Top w0.2: 222.38,17.62 223.43,16.57 TP42.1
LVDS_U_HPD/DP_F_HPD: length 175.5
  Top w0.2: MXM1.14 v3(156.55,93.1) ; v4(157.75,63.25) v4(157.75,65.65)
  In2.Cu w0.2: v3(156.55,93.1) 157.75,91.9 v4(157.75,65.65) ; v4(157.75,63.25) 157.75,54.15 149.95,46.35 144.55,46.35 141.95,48.95 v3(140.75,48.95)
  Bottom w0.2: v3(140.75,48.95) 135.75,43.95 135.75,33.1 138.45,30.4 148.95,30.4 156.5,22.85 161,22.85 163.55,25.4 212.8,25.4 219.19,19.01 v3(222.38,19.01)
LVDS_UCLK+: length 8.3
  Top w0.1: J11.28 217.86,51.67 217.86,50.84 218.48,50.23 218.48,49.54 217.86,48.93 217.86,47.49 217.43,47.05 217.43,46.53 217.76,46.19 217.76,45.38 R83.2
LVDS_UCLK-: length 5.7
  Top w0.1: R82.2 217.55,45.38 217.55,46.11 217.22,46.44 217.22,47.14 217.65,47.58 J11.27
LVDS_UCLK/DP_F_L3+: length 86.6
  Top w0.1: v3(189.95,42.4) 190.2,42.4 196.61,35.99 197.58,35.99 v3(197.75,35.82) ; v3(144.7,53.82) 144.88,53.99 145.43,53.99 145.58,53.85 MXM1.171
  Bottom w0.1: v3(218.38,43.12) 217.75,42.5 217.75,41.96 217.29,41.5 216.79,41.5 211.29,35.99 197.93,35.99 v3(197.75,35.82) ; v3(144.7,53.82) 144.88,53.99 178.61,53.99 189.95,42.65 v3(189.95,42.4)
LVDS_UCLK/DP_F_L3-: length 86.3
  Top w0.1: v3(190.35,42.8) 190.35,42.55 196.69,36.2 197.58,36.2 v3(197.75,36.38) ; MXM1.169 145.58,54.35 145.43,54.2 144.88,54.2 v3(144.7,54.38)
  Bottom w0.1: v3(144.7,54.38) 144.88,54.2 178.69,54.2 190.1,42.8 v3(190.35,42.8) ; v3(197.75,36.38) 197.93,36.2 211.21,36.2 216.71,41.7 217.21,41.7 217.55,42.04 217.55,42.5 v3(216.93,43.12)
LVDS_UTX0+: length 8.2
  Top w0.1: R99.2 208.78,45.91 209.86,47 209.86,48.93 210.48,49.54 210.48,50.23 209.86,50.84 209.86,51.67 J11.20
LVDS_UTX0-: length 6.1
  Top w0.1: J11.19 209.65,47.08 R98.2
LVDS_UTX0/DP_F_L2+: length 70.3
  Top w0.1: v3(144.7,47.82) 144.88,47.99 145.43,47.99 145.58,47.85 MXM1.195
  Bottom w0.1: v3(144.7,47.82) 144.88,47.99 178.11,47.99 185.11,40.99 207.44,40.99 208.15,41.71 208.15,42.5 v3(208.78,43.12)